# Altium PCB Kasli-DIOT.PCBDOC (part 9 of 21)
Units mm, origin at the board's own origin, x right, y up, seen from the top; angles counter-clockwise.
Board outline 222.34 x 100 mm, 10 copper layers (TopLayer, Layer 2, Layer 3, Layer 4, Layer 5, Layer 6, Layer 7, layer 8, Layer 9, BottomLayer), stack 1.564 mm thick; 974 components, 908 nets, 4662 pads, 2649 vias.
Unrouted connection lines stored in the file: 17.
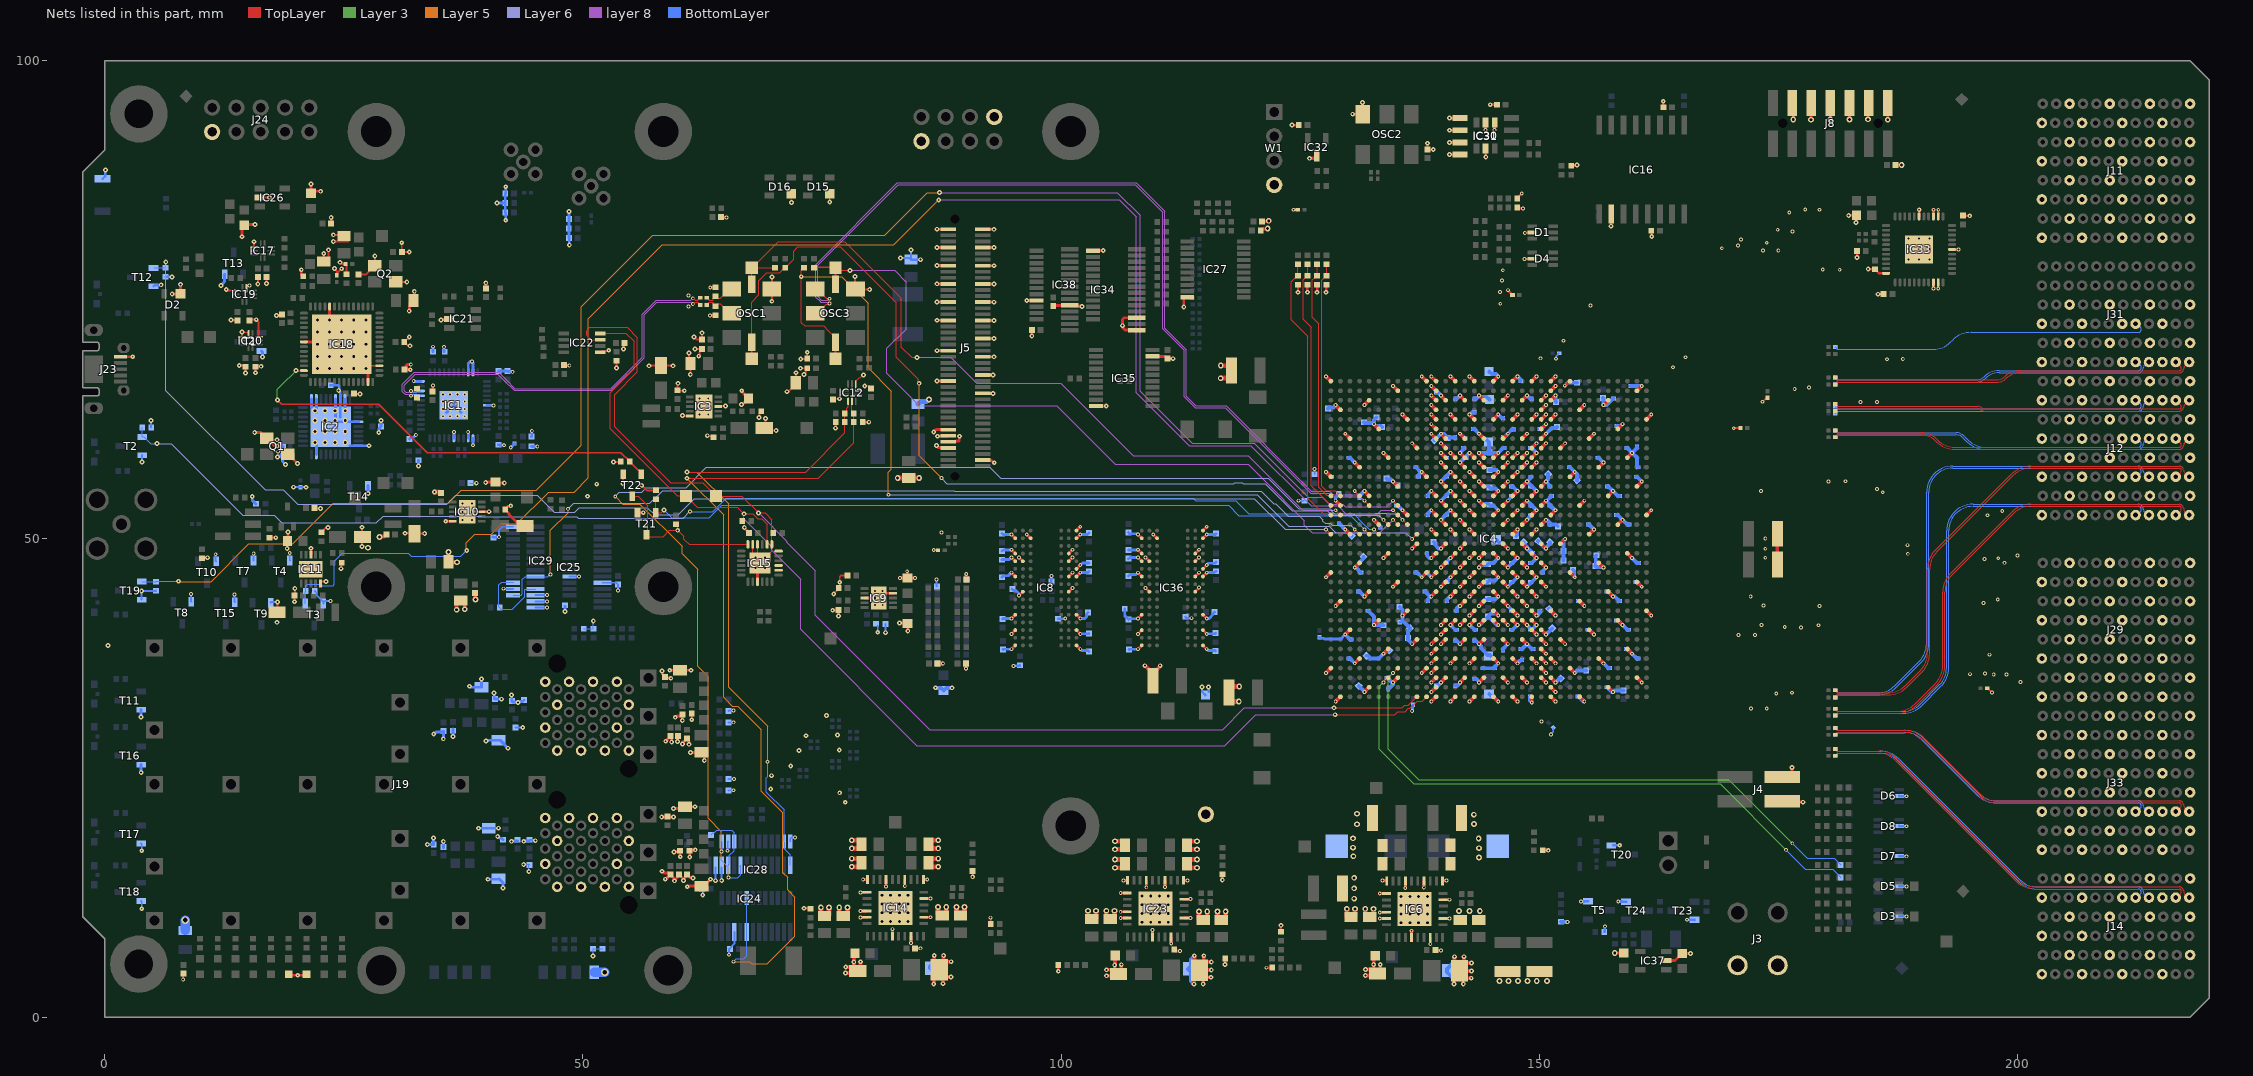
[diagram p17: the nets of this part, all layers, seen from the top]

## Via types
v1: diameter 0.4, hole 0.2, TopLayer to BottomLayer, tented both sides, 1661 vias
v2: diameter 0.5, hole 0.2, TopLayer to BottomLayer, tented both sides, 516 vias
v3: diameter 0.6, hole 0.3, TopLayer to BottomLayer, tented both sides, 175 vias
v4: diameter 0.6, hole 0.3, TopLayer to BottomLayer, 113 vias
v5: diameter 0.5, hole 0.2, TopLayer to BottomLayer, 110 vias
v6: diameter 0.4, hole 0.2, TopLayer to BottomLayer, 67 vias
v7: diameter 0.8, hole 0.5, TopLayer to BottomLayer, tented both sides, 7 vias

## Nets (pads, with @x,y where several pads share a name; then routed paths per layer and width w, separated by ;. In a path a pad name is that pad's centre, name@x,y a point inside that pad or via, vN(x,y) a via of type N, cw(c..) or ccw(c..) an arc to the next point about the centre after c; other vN are vias at no path point) (continued)
GND: (continued)
  BottomLayer w0.3: T16.2@3.8,26.4 3.808,26.392 v2(3.808,25.57) ; T11.2@3.8,32.15 3.802,32.148 v2(3.802,31.374) ; v2(12.15,76.5) 12.2,76.55 12.2,76.575 12.526,76.901 12.526,77.651 T13.2@12.55,77.675 ; v2(15.425,54.45) 15.425,54.045 15.64,53.83 15.64,53.81 15.78,53.67 R154.2@15.8,53.67 ; T1.2@16.39,69.662 16.502,69.55 v2(16.502,69.024) ; v2(18.075,58.575) 18.2,58.7 C23.1@18.6,58.7 ; C23.1@18.7,58.7 C23.1@18.6,58.7 ; v2(18.9,57.8) 18.891,57.8 18.6,58.091 C23.1@18.6,58.7 ; IC2.37@21.622,63.749 IC2.19@21.622,64.649 ; IC2.8@22.122,58.849 IC2.37@22.122,60.249 ; IC2.37@22.122,63.249 IC2.20@22.122,64.649 ; R17.1@23.62,66.075 24.387,66.075 24.522,65.94 24.522,65.597 v2(24.46,65.535) 24.622,65.373 IC2.25@24.622,64.649 IC2.37@24.622,62.749 ; IC2.24@24.122,64.649 24.122,62.249 IC2.31@26.522,62.249 ; IC2.37@25.122,63.249 IC2.26@25.122,64.649 ; IC2.37@25.622,59.749 IC2.36@26.522,59.749 v2(27.626,59.749) ; v5(27.519,54.747) 27.522,54.75 27.522,55.572 T14.2@27.525,55.575 ; v2(28.65,61.125) 28.65,61.501 C24.1@28.898,61.749 v2(28.898,62.398) ; C191.1@31.875,60.45 32.035,60.61 32.26,60.61 v1(32.525,60.875) ; v1(32.3,66.5) 32.327,66.5 32.349,66.478 IC1.22@33.05,66.478 ; v2(32.792,57.621) 32.796,57.625 32.796,58.226 R243.1@32.8,58.23 ; v2(33.725,18.05) C267.1@34.4,18.05 34.388,18.062 34.388,18.713 v2(34.375,18.725) ; v1(34.31,70.102) 34.317,70.095 34.317,69.578 R8.2@34.325,69.57 ; v2(34.4,29.6) 34.454,29.6 34.654,29.8 35.3,29.8 C178.1@35.4,29.9 v2(35.4,29.1) ; C266.1@35.4,17.7 C266.1@35.4,17.8 v2(35.4,18.375) ; R7.2@35.475,69.57 35.48,69.575 35.48,70.083 v1(35.485,70.088) ; IC1.45@35.75,63.228 v5(36.119,63.597) IC1.45@36.5,63.978 v5(36.881,63.597) IC1.45@37.25,63.228 ; v2(36.4,29.35) 36.413,29.363 C185.1@36.413,30.138 ; IC1.6@36.5,60.528 v1(36.5,61.2) ; IC1.3@38,60.528 v1(38,61.2) ; IC1.31@38,67.428 38,68.329 38.207,68.536 38.375,68.536 v1(38.394,68.555) 38.5,68.449 IC1.32@38.5,67.428 ; v2(38.15,34.6) 38.204,34.6 38.304,34.5 C179.1@39.4,34.5 v2(39.4,35.35) ; v1(38.5,59.8) IC1.2@38.5,60.528 ; v2(39.075,19.75) C268.1@40.15,19.75 40.158,19.758 v2(41.182,19.758) ; v2(39.875,28.875) 39.929,28.875 40.004,28.95 C184.1@41.15,28.95 41.35,28.95 v2(42.175,28.125) ; IC1.39@39.95,63.978 40.59,63.978 40.619,63.95 v1(40.646,63.95) ; v2(40.05,14.425) 41.125,14.425 C272.1@41.15,14.45 41.25,14.45 41.65,14.05 v2(41.65,13.5) ; v2(40.688,33.893) 40.726,33.854 40.726,33.324 40.802,33.248 41.486,33.248 v2(41.488,33.246) ; v2(41.025,85.125) R30.1@41.855,85.125 ; v2(41.082,18.883) 41.136,18.883 41.309,18.71 41.49,18.71 C269.1@41.65,18.55 ; C243.1@41.16,67.562 41.166,67.556 42.094,67.556 42.156,67.494 42.606,67.494 v1(42.625,67.475) ; C190.1@41.175,59.85 41.206,59.819 41.731,59.819 v1(41.75,59.8) ; v2(41.925,83.325) 41.925,84.074 C46.1@41.875,84.124 C47.1@41.875,86.125 41.925,86.175 v2(41.925,86.825) ; v1(42.45,59.55) 42.45,59.575 42.825,59.95 C242.1@42.825,59.975 ; v2(42.521,33.689) 42.559,33.65 42.559,33.009 42.626,32.942 43.177,32.942 v2(43.216,32.904) 43.254,32.942 43.36,32.942 43.408,32.99 43.665,32.99 C181.1@43.825,33.15 ; v2(42.532,18.383) 42.586,18.383 42.627,18.424 43.124,18.424 C270.1@43.15,18.45 ; v2(43.807,18.383) 43.84,18.417 44.367,18.417 44.446,18.496 44.981,18.496 v2(45.02,18.457) ; C241.1@44.635,59.692 44.643,59.683 45.217,59.683 v1(45.225,59.675) ; C239.1@44.635,60.692 44.642,60.699 44.642,61.268 v1(44.65,61.275) ; v2@48.132,42.63 v2@48.134,42.632 ; v2@48.134,42.432 C305.1@48.134,42.964 ; v2(48.55,84.225) C44.1@48.55,83.475 C43.1@48.55,81.474 48.562,81.462 48.562,80.763 v2(48.575,80.75) ; C462.1@93.824,47.823 93.871,47.87 94.584,47.87 94.786,48.072 v1(94.8,48.072) ; C467.1@93.824,48.731 93.956,48.863 94.79,48.863 v1(94.8,48.872) ; C460.1@93.824,50.565 93.908,50.482 94.79,50.482 v1(94.8,50.472) ; C164.1@93.825,46 93.985,46.16 94.474,46.16 94.786,46.472 v1(94.8,46.472) ; C454.1@93.875,41.625 93.915,41.665 94.793,41.665 v1(94.803,41.675) ; C452.1@93.9,38.425 93.94,38.465 94.793,38.465 v1(94.803,38.475) ; C466.1@94.85,44.775 95.01,44.615 95.261,44.615 95.593,44.283 95.593,44.098 v1@95.603,44.088 ; v1(101.997,46.475) 102.007,46.485 102.785,46.485 C465.1@102.9,46.6 ; v1(101.997,47.275) 102.222,47.5 C456.1@102.9,47.5 ; v1(101.997,50.475) 102.007,50.485 102.76,50.485 C171.1@102.9,50.625 ; v1(102,38.478) 102.014,38.478 102.14,38.351 102.799,38.351 C455.1@102.9,38.25 ; v1(102,40.078) 102.01,40.087 102.887,40.087 C453.1@102.9,40.1 ; v1(102,41.678) 102.01,41.687 102.464,41.687 102.64,41.863 102.64,42.165 C169.1@102.8,42.325 ; C469.1@106.65,42.7 106.65,41.975 C457.1@107.05,41.575 107.132,41.657 107.996,41.657 108.014,41.675 v1(108.028,41.675) ; C166.1@107.054,46.125 107.204,46.275 107.814,46.275 108.011,46.472 v1(108.025,46.472) ; C463.1@107.054,47.935 107.182,48.063 108.015,48.063 v1(108.025,48.072) ; C470.1@107.054,48.832 107.085,48.863 108.015,48.863 v1(108.025,48.872) ; C461.1@107.054,50.661 107.165,50.55 107.933,50.55 108.011,50.472 v1(108.025,50.472) ; C459.1@107.075,38.425 107.115,38.465 108.018,38.465 v1(108.028,38.475) ; R100.1@113,41.855 113.14,41.715 v1(113.635,41.715) ; v1(115.222,46.475) 115.232,46.485 116.035,46.485 C464.1@116.175,46.625 ; v1(115.222,47.275) 115.236,47.275 115.415,47.454 116.054,47.454 C458.1@116.175,47.575 ; v1(115.222,50.475) 115.232,50.485 116.11,50.485 C170.1@116.175,50.55 ; v1(115.225,38.478) 115.239,38.478 115.365,38.351 116.075,38.351 C468.1@116.125,38.301 ; v1(115.225,40.078) 115.235,40.087 116.065,40.087 C451.1@116.125,40.148 ; v1(115.225,41.678) 115.235,41.687 115.474,41.687 115.89,42.103 115.89,42.215 C165.1@116.05,42.375 ; C484.1@127,39.725 127,39.7 127.075,39.625 127.439,39.625 127.514,39.55 129.231,39.55 129.681,40 v1(129.7,40) ; v1(128.7,54) 128.7,54.35 129.03,54.68 R9.1@129.03,54.7 ; v1(136.7,32) 136.75,32.05 136.75,32.6 C317.1@136.8,32.65 ; v1(154.35,12.1) 154.725,12.1 T5.2@155.1,12.125 ; R261.1@156.795,8.925 156.831,8.961 156.831,9.481 v1(156.85,9.5) ; v1(158.25,12.1) 158.675,12.1 T24.2@159.05,12.075 ; v1(165.423,10.184) 165.427,10.179 166.196,10.179 T23.2@166.2,10.175
  BottomLayer w0.4: v2(86.675,3.475) 86.675,4.382 86.591,4.466 86.591,4.791 C22.1@86.266,5.116 86.266,5.291 86.725,5.75 v2@86.725,6.423 ; v2(86.868,34.442) 86.885,34.425 87.444,34.425 C173.1@87.719,34.15 87.983,34.414 88.569,34.414 v2(88.588,34.433) ; C474.1@87.066,36.981 87.072,36.975 v1(87.625,36.975) ; v1(90.05,36.45) 90.05,36.987 C478.1@90.054,36.991 ; C476.1@90.075,45.777 v1(90.075,46.325) ; v2(113.875,3.45) 113.875,3.477 113.575,3.777 113.575,4.725 C40.1@113.25,5.05 113.575,5.375 113.575,6.048 113.925,6.398 v2(113.925,6.425) ; v1(127.7,57) 128.2,56.5 C310.1@128.325,56.5 ; C31.1@127.9,63.65 128.01,63.76 128.46,63.76 v1(128.7,64) ; C309.1@129.05,51.6 129.075,51.6 129.675,51 v1(129.7,51) C92.1@130.382,50.318 ; v1(129.7,40) 130.2,39.5 C155.1@130.35,39.5 ; C318.1@130.05,37.5 130.2,37.5 v1(130.7,37) ; C82.1@130.05,58.5 130.171,58.5 130.671,58 v1(130.7,58) ; C156.1@131.05,44.5 131.2,44.5 v1(131.7,44) ; C96.1@131.118,34.632 131.7,34.05 v1(131.7,34) ; C80.1@131.2,54.325 131.2,54.5 v1(131.7,55) ; C482.1@131.36,46.475 131.335,46.475 130.81,47 v1(130.7,47) 131.175,47.475 131.175,47.556 131.607,47.988 C163.1@131.607,48.143 ; C37.1@131.65,62.2 131.71,62.14 132.56,62.14 v1(132.7,62) ; C168.1@131.918,37.782 132.074,37.782 132.356,37.5 133.2,37.5 133.932,38.232 134.04,38.232 134.151,38.343 C109.1@134.307,38.343 ; C154.1@132.05,42.5 132.075,42.5 132.7,41.875 v1(132.7,41) 133.676,41 C481.1@133.7,40.976 ; v1(132.7,52) 133.325,51.375 133.325,51.2 C62.1@133.35,51.2 ; C79.1@132.975,62.725 132.7,62.45 v1(132.7,62) ; C39.1@133.55,61.7 133.44,61.81 132.89,61.81 v1(132.7,62) ; C35.1@134.012,56.325 134.122,56.215 134.485,56.215 v1(134.7,56) 134.988,55.712 135.122,55.712 C57.1@135.232,55.602 ; C316.1@134.05,35.475 134.125,35.475 134.6,35 v1(134.7,35) 134.7,34.8 134.225,34.325 134.2,34.325 C315.1@134.2,34.3 ; C68.1@135.05,53.5 135.17,53.5 135.67,53 v1(135.7,53) ; C480.1@135.403,42.911 135.403,42.901 135.7,42.604 v1(135.7,42) 135.7,41.464 135.875,41.288 ; 135.957,41.207 C86.1@136.482,40.682 136.482,40.526 136.25,40.294 136.25,39.475 136.7,39.025 v1(136.7,39) ; C153.1@137.05,46.5 137.2,46.5 v1(137.7,46) ; C138.1@137.05,57.5 137.075,57.5 137.556,57.019 137.681,57.019 v1(137.7,57) ; C125.1@137.35,56.5 C125.1@137.375,56.5 137.375,56.712 137.501,56.839 ; C485.1@138.008,44.515 138.033,44.515 138.548,44 v1@138.654,44 ; C118.1@138.25,48.5 138.275,48.5 138.275,48.234 138.509,48 v1(138.7,48) ; C98.1@138.35,43.521 138.35,43.696 v1@138.654,44 ; C119.1@138.35,46.5 138.375,46.5 138.375,46.325 v1(138.7,46) ; C117.1@138.35,52.5 138.375,52.5 138.375,52.667 138.389,52.681 138.389,52.714 138.675,53 v1(138.7,53) ; C55.1@138.35,54.5 138.375,54.5 138.375,54.675 v1(138.7,55) ; v1(138.7,34) v1(139.7,35) ; v1(138.7,44) v1@138.654,44 ; v1(138.7,66) 139.2,65.5 C334.1@139.2,65.35 ; v1(138.7,66) v1(139.7,65) ; C357.1@138.95,49.7 139.06,49.59 139.06,49.387 139.447,49 v1(139.7,49) ; C93.1@139.018,60.318 v1(139.7,61) 140.025,61 140.45,60.575 140.5,60.625 141.2,60.625 C344.1@141.2,60.65 ; v1(139.7,45) v1(140.7,46) ; v1(139.7,47) C377.1@140.225,47.525 ; v1(139.7,52) 140.188,52.488 140.188,52.512 140.676,53 v1(140.7,53) ; v1(139.7,54) v1(140.7,55) ; v1(139.7,56) v1(140.7,57) ; v1(139.7,59) 140.212,58.488 C373.1@140.35,58.488 ; C379.1@140.35,43.512 140.35,43.687 140.663,44 v1(140.7,44) ; C377.1@140.35,47.525 C377.1@140.225,47.525 ; v1(140.7,41) 141.2,40.5 C330.1@141.35,40.5 ; v1(140.7,48) 140.676,48 140.525,47.849 140.525,47.825 C377.1@140.225,47.525 ; v2(141.075,3.475) 141.056,3.494 141.056,3.994 140.35,4.7 C27.1@140.35,4.875 140.35,5.05 141.106,5.806 141.106,6.305 v2(141.125,6.324) ; C114.1@141.2,34.65 141.2,34.675 141.466,34.675 141.7,34.909 v1(141.7,35) ; C331.1@141.2,39.35 141.2,39.325 141.375,39.325 141.525,39.175 v1(141.7,39) ; C333.1@141.2,64.65 141.2,64.675 141.375,64.675 v1(141.7,65) ; C102.1@141.35,42.5 141.375,42.5 141.375,42.766 141.609,43 v1(141.7,43) ; v1(141.7,58) v1(142.7,59) ; v1(141.7,59) 142.025,59.325 142.025,59.5 C340.1@142.05,59.5 ; v1(141.7,61) 141.725,61 142.225,60.5 C345.1@142.25,60.5 ; v1(142.7,41) 143.2,40.5 C327.1@143.35,40.5 ; v1(142.7,63) 142.925,63.225 143.2,63.225 C337.1@143.2,63.25 ; C350.1@143.05,61.5 143.2,61.5 v1(143.7,61) 144.275,60.425 144.425,60.425 C332.1@144.7,60.15 144.737,60.113 144.737,59.087 C361.1@144.775,59.05 ; C115.1@143.2,35.35 143.2,35.325 143.466,35.325 143.7,35.091 v1(143.7,35) ; C336.1@143.2,64.65 143.2,64.675 143.454,64.675 143.7,64.921 v1(143.7,65) 143.85,64.85 144.5,64.85 C319.1@144.775,64.575 ; C322.1@143.227,39.35 143.227,39.325 143.402,39.325 v1@143.713,39.013 ; v1(143.7,39) 143.901,38.799 143.901,38.571 144.427,38.046 144.427,38.025 144.578,37.874 144.826,37.874 v1(145.7,37) 145.375,36.675 145.375,36.5 C329.1@145.35,36.5 145.325,36.5 145.3,36.475 C112.1@144.05,36.475 ; v1(143.7,41) 143.75,41 C111.1@144.65,41.9 ; v1(143.7,43) 144.315,43.615 144.54,43.615 C110.1@144.65,43.725 145.425,43.725 v1(145.7,44) ; v1(143.7,45) 144.14,45.44 144.54,45.44 C134.1@144.65,45.55 144.76,45.66 145.36,45.66 v1(145.7,46) ; v1(143.7,47) 143.965,47.265 144.54,47.265 C352.1@144.65,47.375 144.76,47.485 145.185,47.485 v1(145.7,48) ; v1(143.7,54) 144.015,53.685 144.665,53.685 C356.1@144.775,53.575 144.885,53.465 145.235,53.465 v1(145.7,53) ; v1(143.7,56) 144.19,55.51 144.665,55.51 C135.1@144.775,55.4 144.885,55.29 145.41,55.29 v1(145.7,55) ; v1(143.7,59) v1(145.7,59) 146.2,59.5 C341.1@146.35,59.5 ; C321.1@144.75,67.525 145.025,67.25 145.45,67.25 v1(145.7,67) ; C101.1@144.752,33.8 145.027,33.525 145.175,33.525 v1(145.7,33) ; C355.1@144.775,57.2 145.5,57.2 v1(145.7,57) ; L5.1@145.5,49.9 145.8,49.6 146.1,49.6 v1(146.7,49) ; v1(145.7,41) 145.55,41 C111.1@144.65,41.9 ; v1(145.7,42) 145.503,42.197 145.091,42.197 145.084,42.19 144.94,42.19 C111.1@144.65,41.9 ; v1(145.7,63) 146.025,62.675 146.2,62.675 C335.1@146.2,62.65 ; C324.1@146.2,38.35 146.2,38.5 v1(146.7,39) ; C349.1@146.2,60.675 146.374,60.675 v1@146.613,60.914 ; v1(146.7,43) v1(147.7,42) 147.2,42.5 C106.1@147.05,42.5 ; v1(146.7,45) v1(147.7,46) ; v1(146.7,47) v1(147.7,48) ; v1(146.7,54) v1(147.7,55) 147.4,55.3 147.225,55.475 C376.1@147.05,55.475 ; v1@146.804,61.104 147.131,61.431 C343.1@147.347,61.431 ; C326.1@147.05,40.5 147.2,40.5 v1(147.7,41) ; C143.1@147.575,50.3 147.685,50.41 147.685,50.985 v1(147.7,51) ; v1(147.7,37) 147.7,37.003 147.934,37.237 147.966,37.237 148.054,37.325 148.2,37.325 C97.1@148.2,37.35 ; v1(147.7,67) 148.025,66.675 148.025,66.5 C348.1@148.05,66.5 ; C323.1@148.05,38.5 148.2,38.5 v1(148.7,39) 149.2,38.5 C113.1@149.35,38.5 ; C375.1@148.05,57.475 148.175,57.475 v1(148.7,58) ; C145.1@148.357,49.657 148.357,49.501 148.7,49.158 v1(148.7,49) ; v1(148.7,41) C325.1@149.2,40.5 ; v1(148.7,45) v1(149.7,46) ; v1(148.7,52) 148.724,52 148.875,52.151 148.875,52.175 v1(149.7,53) ; v1(148.7,54) 148.724,54 148.9,53.824 148.9,53.8 v1(149.7,53) ; v1(148.7,65) 149.025,64.675 149.2,64.675 C347.1@149.2,64.65 ; C328.1@149,33.5 149,33.1 v1(149.2,32.9) ; C325.1@149.05,40.5 C325.1@149.2,40.5 ; C122.1@149.05,47.5 149.2,47.5 v1(149.7,48) v1(148.7,49) ; C342.1@149.05,59.5 149.2,59.5 v1(149.7,59) ; C99.1@149.075,53.5 149.2,53.5 149.425,53.275 v1(149.7,53) ; C354.1@149.075,56.5 149.05,56.5 149.05,56.326 148.724,56 v1(148.7,56) v1(149.7,55) ; C369.1@149.325,48.525 149.3,48.525 148.825,49 v1(148.7,49) ; v1(149.7,40) C325.1@149.2,40.5 ; v1(149.7,41) C325.1@149.2,40.5 ; v1(149.7,42) 149.791,42 150.025,42.234 150.025,42.475 C380.1@150.05,42.475 ; C152.1@149.857,49.782 150.639,49 v1(150.7,49) 150.7,49.094 151.107,49.501 C151.1@151.107,49.657 ; C338.1@150.05,61.5 150.2,61.5 v1(150.7,62) ; C368.1@150.35,46.5 150.375,46.5 150.375,46.675 v1(150.7,47) ; v1(150.7,40) 151.352,40.652 C66.1@151.352,40.667 ; v1(150.7,52) 150.875,51.825 150.875,51.936 C370.1@151.189,51.622 ; v1(150.7,61) 151.29,61.59 151.74,61.59 C58.1@151.85,61.7 ; C124.1@150.918,56.782 150.918,56.218 v1(150.7,56) 150.875,55.825 151.025,55.675 151.025,55.5 C372.1@151.05,55.5 ; C123.1@151.018,42.682 v1(151.7,42) ; C370.1@151.05,51.5 151.75,51.5 C314.1@151.925,51.325 ; C371.1@151.05,53.5 151.075,53.5 151.575,53 v1(151.7,53) v1(150.7,54) 150.775,54 151.275,54.5 C148.1@151.3,54.5 ; v1(151.7,35) 152.113,35.412 C94.1@152.263,35.412 ; v1(151.7,65) 151.7,64.35 C85.1@151.75,64.3 ; R32.1@152.25,9.985 152.285,9.95 v1(152.95,9.95) ; C158.1@152.525,47.75 C313.1@152.525,48.725 152.525,49.825 v1(152.7,50) ; v1(152.65,66.025) 152.958,66.333 C429.1@153.95,66.333 ; C311.1@153.1,57.5 153.2,57.5 v1(153.7,57) 153.918,56.782 C67.1@153.918,56.118 ; C240.1@153.499,46.771 153.609,46.661 153.609,46.091 v1(153.7,46) ; v1(153.7,36) 153.95,36.25 C34.1@154.9,36.25 ; C432.1@154.05,33.525 154.075,33.525 154.6,33 v1(154.7,33) ; C76.1@154.05,43.5 154.2,43.5 v1(154.7,43) ; C140.1@155.038,40.5 155.2,40.5 v1(155.7,40) ; C127.1@155.1,51.5 155.2,51.5 v1(155.7,51) ; C78.1@155.95,48.3 155.9,48.25 155.9,47.225 C59.1@155.85,47.175 155.96,47.065 156.635,47.065 v1(156.7,47) ; C64.1@156.1,58.5 156.175,58.5 156.675,58 v1(156.7,58) ; C428.1@156.635,64.742 156.7,64.677 v1(156.7,64) 157.026,64 157.714,64.688 C433.1@157.739,64.688 ; v1(156.7,37) 157.2,36.5 C60.1@157.35,36.5 ; C147.1@157.05,34.5 157.075,34.5 157.575,34 v1(157.7,34) 157.85,34.15 C33.1@158.8,34.15 ; C83.1@157.05,44.5 157.2,44.5 v1(157.7,44) 157.875,44 158.375,43.5 C128.1@158.4,43.5 ; C89.1@157.1,55.5 157.2,55.5 v1(157.7,55) 158.2,54.5 C87.1@158.4,54.5 ; C308.1@158.05,41.487 158.213,41.487 v1(158.7,41) 159.2,40.5 C139.1@159.335,40.5 ; C69.1@158.05,52.5 158.2,52.5 v1(158.7,52) 159.2,51.5 C88.1@159.4,51.5 ; C431.1@158.106,61.81 158.131,61.835 158.535,61.835 v1(158.7,62) ; C146.1@159.05,38.5 159.2,38.5 v1(159.7,38) 160.2,37.5 C61.1@160.35,37.5 ; C90.1@159.1,59.5 159.196,59.5 v1@159.696,59 ; C430.1@159.55,66 v1(160.7,66) ; v1(159.7,48) 160.2,47.5 C136.1@160.4,47.5 ; C126.1@160.062,45.5 160.2,45.5 v1(160.7,45) ; C149.1@160.1,56.5 160.2,56.5 v1(160.7,56) ; C81.1@160.2,59.65 160.2,59.5 v1(159.7,59) 160.2,58.5 160.2,57.625 160.325,57.5 C75.1@160.35,57.5
  BottomLayer w0.5: C425.1@85.025,64.1 85.3,64.375 85.948,64.375 86.148,64.575 v4(86.175,64.575)
  BottomLayer w1: R68.2@8.425,9.094 v7(8.425,10.15) ; R70.2@51.2,4.7 v7@52.275,4.7
  other v1: 150.236,30.918 172.128,32.27 173.774,32.285 174.762,33.841 176.4,33.925 200.3,35.05 197.5,35.825 198.825,35.825 195.02,35.861 196.603,35.919 197.05,37.9 170.829,39.945 172.55,39.95 177.351,40.727 175.651,40.787 179.175,40.975 173.225,41 179.275,43 173.425,43.05 196.441,43.297 197.928,43.667 172.095,43.98 114.422,44.94 198.637,47.508 196.534,47.916 197.974,47.986 173.625,48.04 199.98,48.257 188.523,48.446 173.625,48.977 188.487,49.35 173.625,50.04 196.852,52.475 198.4,52.912 185.9,54.887 173.175,55 185.294,55.207 180.225,56.025 181.999,56.03 18.108,59.125 183.58,64.324 185.288,64.324 176.695,65.68 178.2,65.825 163.975,67.95 186.362,68.791 188,68.8 150.126,68.889 165.275,69 152.525,70.725 61.048,74.299 155.35,74.4 145.916,74.594 61.048,75.471 145.885,75.812 146.075,77.025 146.175,78.1 181.4,78.15 179.625,78.175 173.385,80.169 174.983,80.165 169.075,80.4 170.75,80.675 173.775,80.974 171.065,81.294 176.45,82.15 174.918,82.335 176.125,84.15 179.3,84.425 177.794,84.452
  other v2: 142.05,3.475 77.425,22.475 76.839,23.456 69.638,23.848 69.725,25.25 71.725,26.25 72.575,27.875 76.8,27.925 73.325,29.425 76.6,29.5 75.45,31.55 0.35,38.875 18,41.287 48.132,42.43 50.464,54.463 51.443,55.726 39.825,55.9 18.033,59.717 52.696,69.73 112.826,74.254 153.925,89.09
  other v3: 145.825,3.775 146.775,3.775 147.775,3.775 148.75,3.775 149.725,3.775 150.8,3.775 141.6,11.1 142.7,11.1 143.775,11.1 130.631,12.392 130.631,13.467 130.631,14.567 143.675,16.7 130.55,16.825 143.675,17.675 130.525,17.725 143.65,18.675 130.525,18.7 130.925,20.175 143.175,20.2 143.15,21.175 130.925,21.275 36.824,47.561 35.936,48.63
  other v4: 135.538,9.867 136.454,9.867 137.371,9.867 138.288,9.867 108.45,9.925 109.367,9.925 110.283,9.925 111.2,9.925 81.25,10 82.167,10 83.083,10 84,10 135.538,10.784 136.454,10.784 137.371,10.784 138.288,10.784 108.45,10.842 109.367,10.842 110.283,10.842 111.2,10.842 81.25,10.917 82.167,10.917 83.083,10.917 84,10.917 135.538,11.7 136.454,11.7 137.371,11.7 138.288,11.7 108.45,11.758 109.367,11.758 110.283,11.758 111.2,11.758 81.25,11.833 82.167,11.833 83.083,11.833 84,11.833 135.538,12.617 136.454,12.617 137.371,12.617 138.288,12.617 108.45,12.675 109.367,12.675 110.283,12.675 111.2,12.675 81.25,12.75 82.167,12.75 83.083,12.75 84,12.75 21.971,60.098 23.029,60.098 24.088,60.098 25.146,60.098 21.971,61.241 23.029,61.241 24.088,61.241 25.146,61.241 21.971,62.384 23.029,62.384 24.088,62.384 25.146,62.384 21.971,63.4 23.029,63.4 24.088,63.4 25.146,63.4 22.225,67.818 23.495,67.818 24.765,67.818 26.035,67.818 27.305,67.818 22.225,69.088 23.495,69.088 24.765,69.088 26.035,69.088 27.305,69.088 22.225,70.358 23.495,70.358 24.765,70.358 26.035,70.358 27.305,70.358 22.225,71.628 23.495,71.628 24.765,71.628 26.035,71.628 27.305,71.628 22.225,72.898 23.495,72.898 24.765,72.898 26.035,72.898 27.305,72.898
  other v5: 115.4,34.518 80.519,43.075 81.344,43.075 81.319,43.825 80.519,44.575 81.319,44.575 20.7,46.425 21.5,46.425 22.4,46.425 68.044,46.953 69.019,46.978 20.7,47.325 21.5,47.325 22.4,47.325 68.044,48.053 69.019,48.053 37.4,52 38.4,52 37.4,52.8 38.4,52.8 37.4,53.7 38.4,53.7 35.357,62.835 36.119,62.835 36.881,62.835 37.643,62.835 62.2,63 63.1,63 35.357,63.597 37.643,63.597 62.2,63.9 63.1,63.9 35.357,64.359 36.119,64.359 36.881,64.359 37.643,64.359 62.2,64.7 63.1,64.7 35.357,65.121 36.119,65.121 36.881,65.121 37.643,65.121
  other v6: 87.471,50.669 188.588,79.212 189.688,79.212 190.788,79.212 189.688,80.287 188.588,80.312 190.788,80.312 188.588,81.412 189.688,81.412 190.788,81.412
  other v7: 52.275,4.687
GPIO_INT0: IC4.U4 IC25.20 IC29.1 | length 98.8
  TopLayer w0.095: v1(130.7,51) IC4.U4@131.2,50.5
  Layer 5 w0.125: v1(46.6,46.3) 46.6,50.9 48.45,52.75 v1(48.45,53.15)
  Layer 6 w0.095: v1(48.45,53.15) 49.013,53.713 56.989,53.713 58.331,55.055 88.819,55.055 88.874,55 120.913,55 122.23,53.683 122.414,53.683 123.731,52.366 126.971,52.366 127.337,52 127.337,51.871 127.586,51.623 128.148,51.623 128.344,51.427 130.273,51.427 v1(130.7,51)
  BottomLayer w0.125: IC29.1@42.697,44.125 43.543,44.125 43.676,44.257 43.676,45.776 43.975,46.075 IC25.20@45.047,46.075 46.301,46.075 46.526,46.3 v1(46.6,46.3)
GPIO_INT1: IC4.T9 IC24.20 IC28.1 | length 136.1
  TopLayer w0.095: v1(135.7,52) IC4.T9@136.2,51.5
  Layer 5 w0.1: v1(53.375,54.45) 54.171,53.654 55.962,53.654 60.392,49.224 60.392,48.45 62,46.843 62,36.717 63.1,35.617 63.1,20.775 64.48,19.395 v1(64.48,17.329) 64.48,16.42 65.2,15.7 v1(65.2,14.6)
  Layer 6 w0.095: v1(53.375,54.45) 53.815,54.89 56.173,54.89 56.633,55.35 60.775,55.35 62.9,57.475 92.55,57.475 93.675,56.35 121.675,56.35 124.859,53.166 128.152,53.166 128.352,52.966 128.352,52.856 128.556,52.653 132.844,52.653 132.872,52.681 133.946,52.681 134.008,52.618 135.082,52.618 v1(135.7,52)
  BottomLayer w0.1: v1(65.2,14.6) 66.2,14.6 66.475,14.875 IC24.20@66.475,15.9 IC24.20@66.339,15.764
  BottomLayer w0.125: IC28.1@64.48,18.33 IC28.1@64.525,18.375